# Altium PCB AirPi2_Sensors.PcbDoc
Units mm, origin at the board's own origin, x right, y up, seen from the top; angles counter-clockwise.
Board outline 69.22 x 56.26 mm, 2 copper layers (Top Layer, Bottom Layer); 79 components, 94 nets, 372 pads, 61 vias.
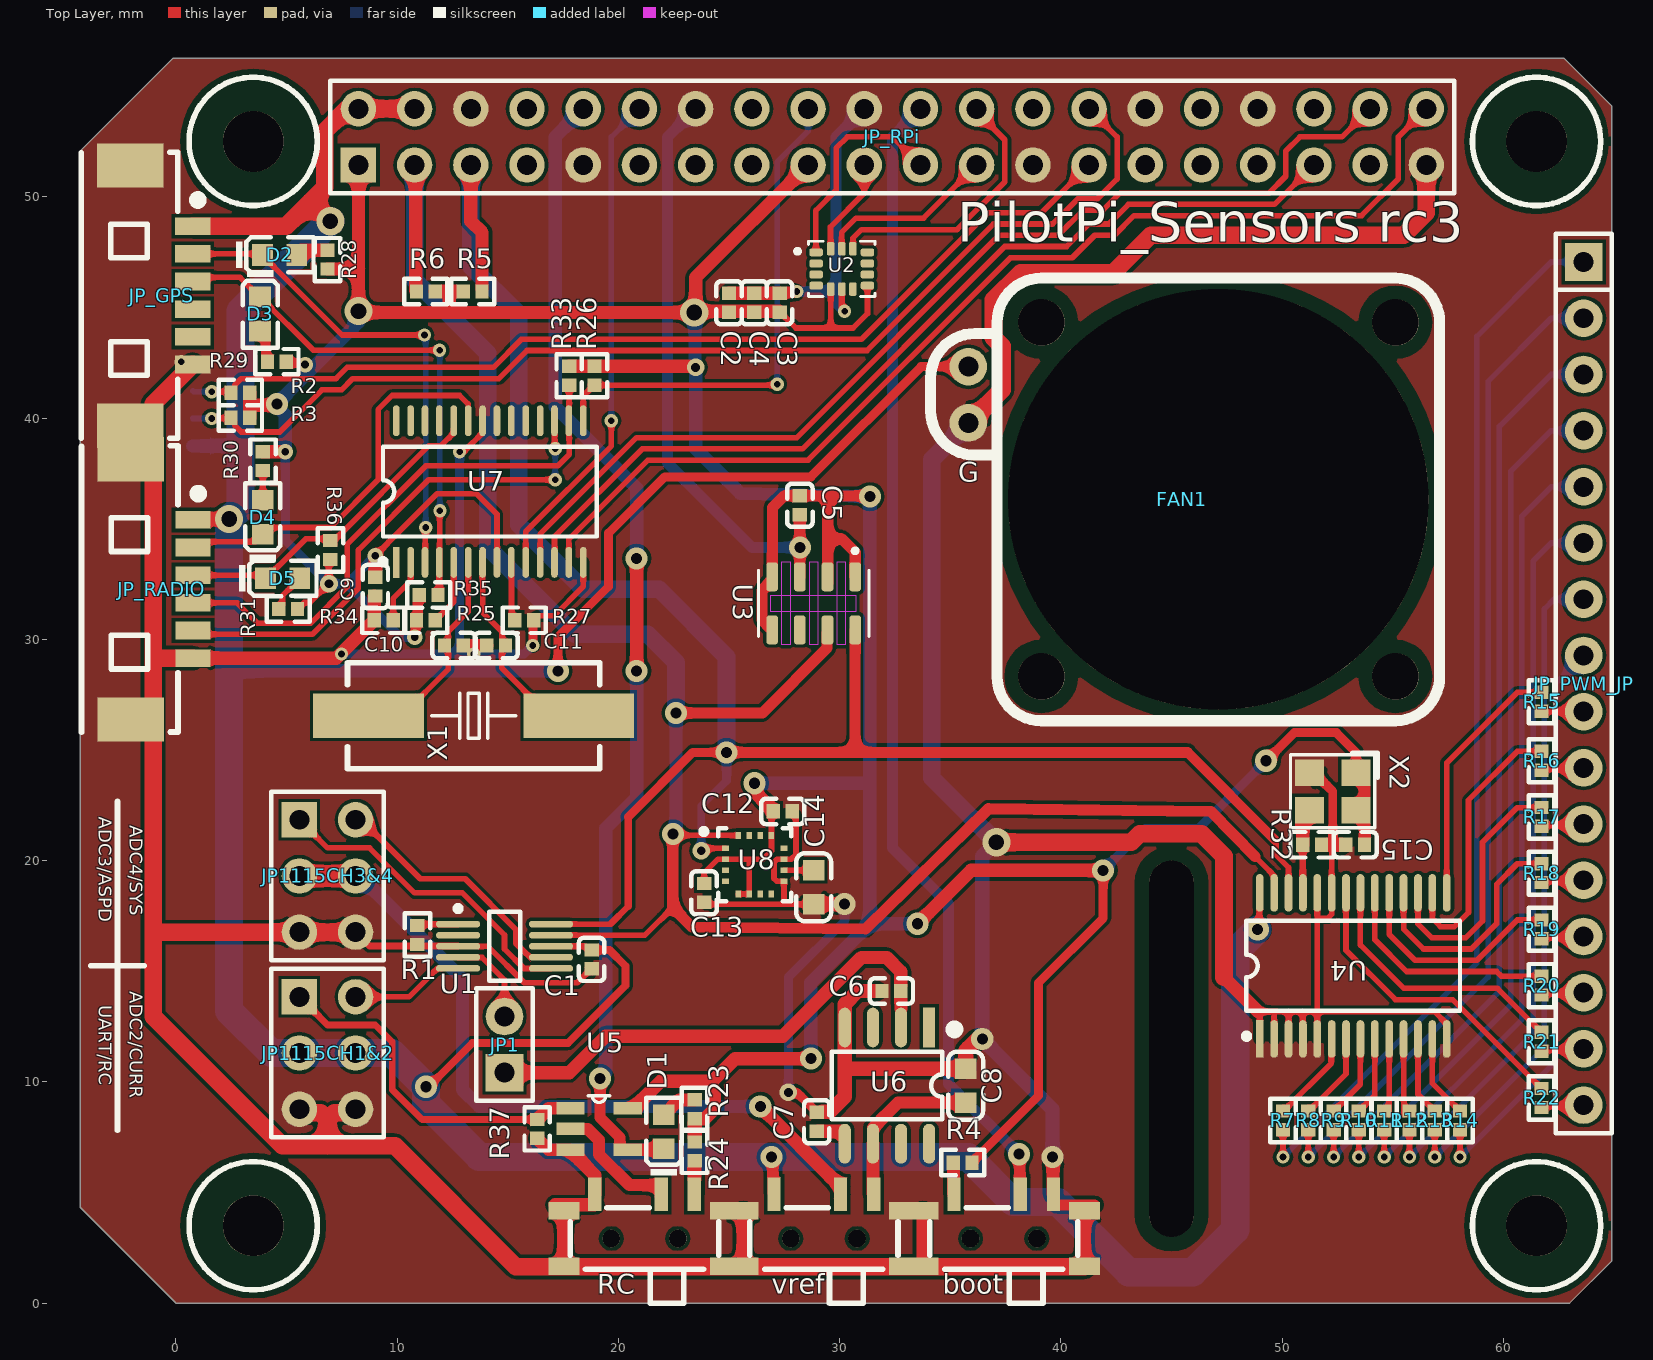
[diagram p0: Top Layer view]
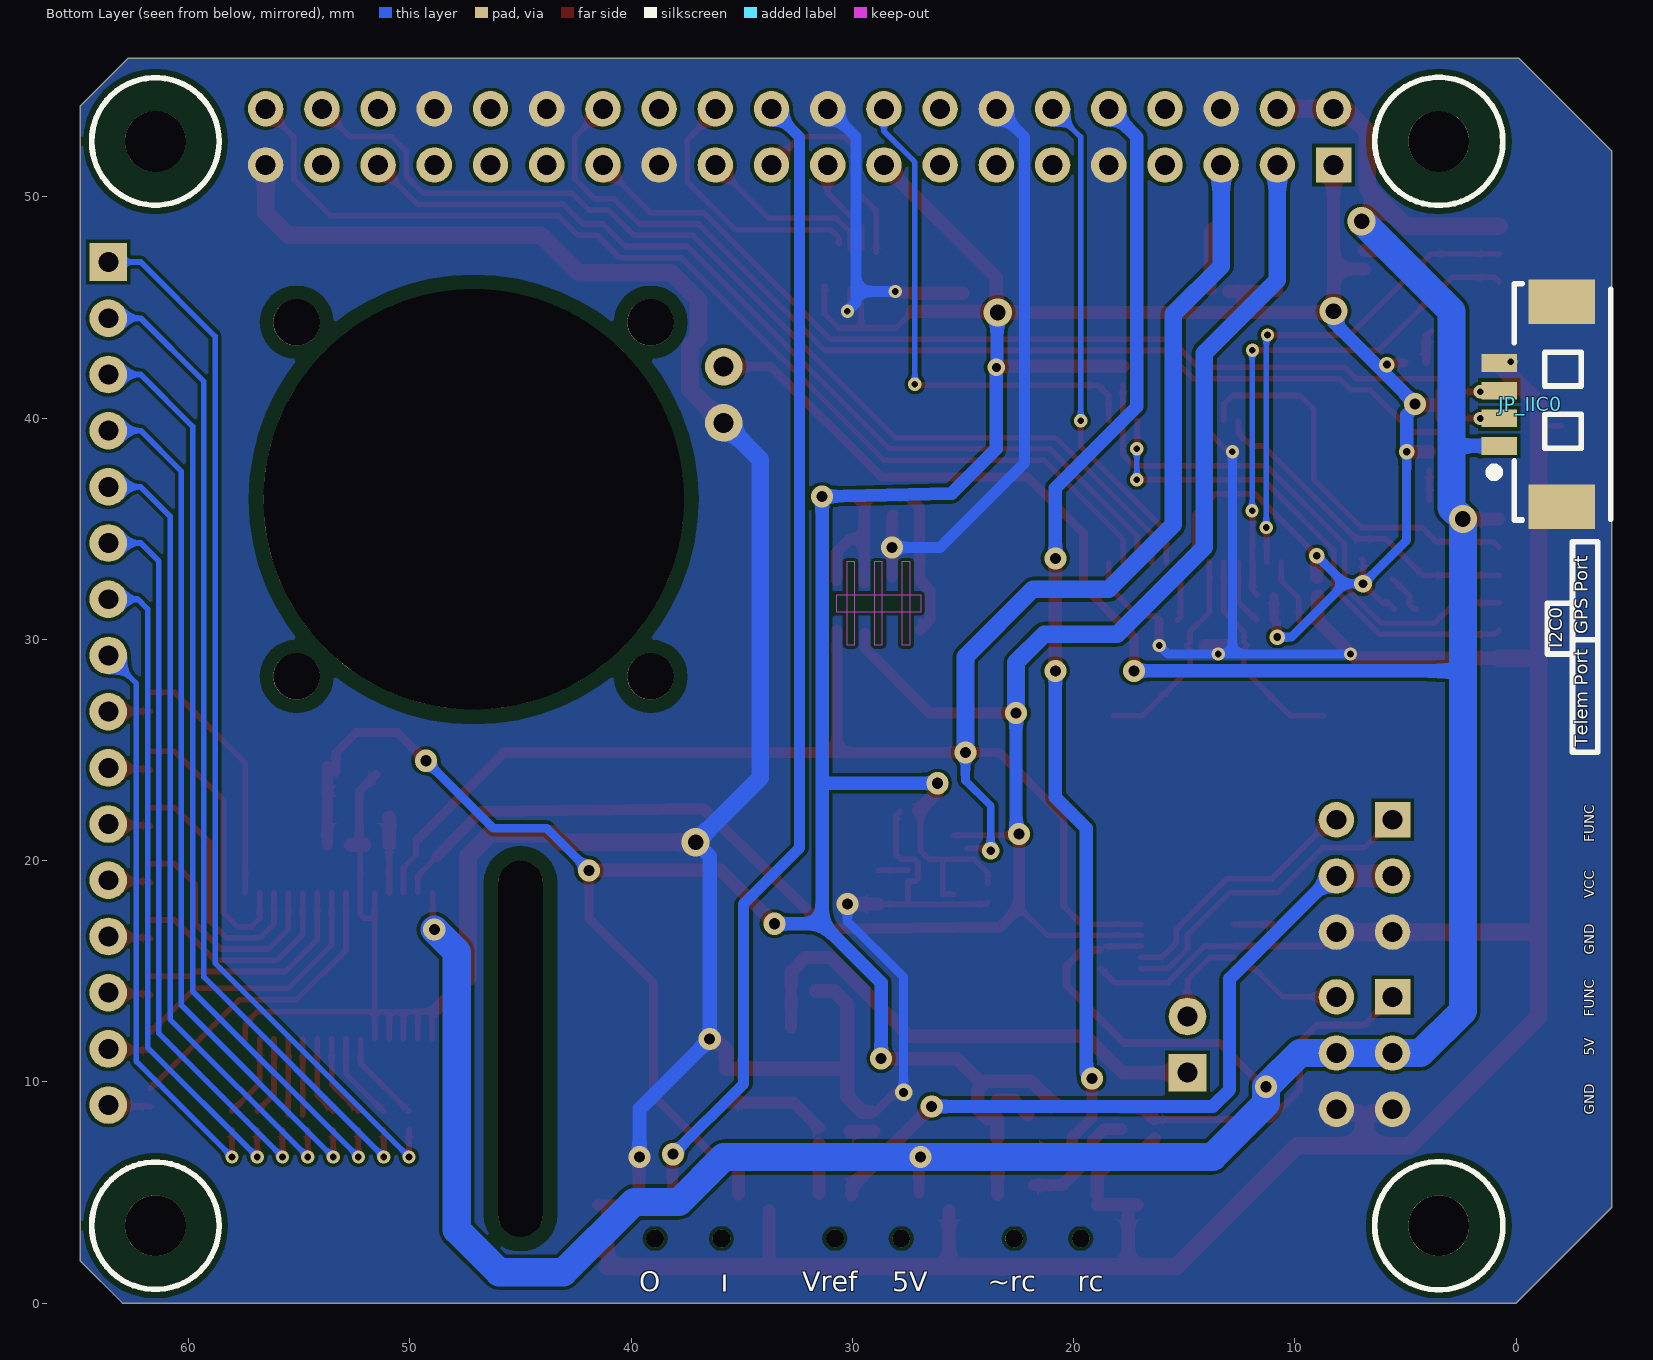
[diagram p1: Bottom Layer view, seen from below]

## Layer stack, top to bottom
Top Solder: solder mask 0.0102, Solder Resist, Dk 3.5
Top Layer: signal copper 0.0356
Dielectric 1: dielectric 0.32, FR-4, Dk 4.8
Bottom Layer: signal copper 0.0356
Bottom Solder: solder mask 0.0102, Solder Resist, Dk 3.5

## Board outline
62.992,0 64.897,1.905 64.897,54.102 62.738,56.261 -0.127,56.261 -4.318,52.07 -4.318,4.318 0,0

## Design rules (kind name [scope] priority, off if disabled: settings)
Clearance [All] p1: gap=0.152 ignorepadtopadclearanceinfootprint=TRUE except(0: Arc-Hole Track-Hole SMDPad-Hole THPad-Hole Via-Hole Fill-Hole Poly-Hole Region-Hole Text-Hole; 0.003: SMDPad-SMDPad; 0.009: SMDPad-Region)
DiffPairsRouting [All] p1: maxlimit=0.254 minlimit=0.152 mostfreqgap=0.254 toplayer_minwidth=0.152 toplayer_maxwidth=20 toplayer_prefwidth=0.254 bottomlayer_minwidth=0.152 bottomlayer_maxwidth=20 bottomlayer_prefwidth=0.254 maxuncoupledlength=12.7
HoleToHoleClearance [All] p1: gap=0.152 allowstackedmicrovias=TRUE
MinimumSolderMaskSliver [All] p1: minsoldermaskwidth=0.152
PlaneConnect [All] p1: planeconnectstyle=Direct reliefexpansion=0.508 reliefentries=4 reliefconductorwidth=0.254 reliefairgap=0.254
PolygonConnect [All] p1: connectstyle=Direct reliefconductorwidth=0.254 reliefentries=4 polygonreliefangle="90 Angle" airgapwidth=0.254
RoutingTopology [All] p1: topology=Daisy_Simple
RoutingVias [All] p1: holewidth=0.711 width=1.27 viastyle="Through Hole" minholewidth=0.3 minwidth=0.6 maxholewidth=10 maxwidth=20
SilkToSilkClearance [All] p1: silktosilkclearance=0.152
SilkToSolderMaskClearance [IsPad] p1: minsilkscreentomaskgap=0.152 clearancetoexposedcopper=TRUE
SolderMaskExpansion [All] p1: expansion=0.102
Width [All] p1: maxlimit=20 minlimit=0.152 preferedwidth=0.254
23 further rules are at their usual default settings.

## Classes and differential pairs
net class PWM[0..15]: PWM0 PWM1 PWM2 PWM3 PWM4 PWM5 PWM6 PWM7 PWM8 PWM9 PWM10 PWM11 PWM12 PWM13 PWM14 PWM15
component class V-ref: C6 C7 U6
component class UART_EXT: C9 C10 C11 D2 D3 D4 D5 JP_GPS JP_RADIO R25 R26 R27 R28 R29 R30 R31 R33 R34 R35 R36 U7 X1
component class RC_Inverter: D1 R23 R24 R37 U5
component class PWM: R7 R8 R9 R10 R11 R12 R13 R14 R15 R16 R17 R18 R19 R20 R21 R22
component class Pressure: C5 U3
component class MAG: C12 C13 C14 U8
component class Fan: FAN1
component class AirPi2_Sensors: JP1 JP1115CH1&2 JP1115CH3&4 JP_IIC0 JP_PWM_JP JP_RPi R2 R3 R5 R6
component class ADC: C1 R1 U1

## Components (designator, comment, footprint, x,y, rotation, side; value= is the part's Value field where it differs from the comment)
C1 "100nF (104) 10% 16V" 0402_C 18.796,15.532 r270 top
C2 "100nF (104) 10% 16V" 0402_C 25.002,45.208 r90 top
C3 "220nF (224) 10% 16V" 0402_C 27.288,45.208 r90 top
C4 "10nF (103) 10% 50V" 0402_C 26.145,45.208 r270 top
C5 "100nF (104) 10% 16V" 0402_C 28.204,36.058 r90 top
C6 "1.0uF (105) 10% 25V" 0402_C 32.344,14.104 r0 top locked
C7 "1.0uF (105) 10% 25V" 0402_C 28.966,8.198 r90 top locked
C8 "22uF (226) 20% 6.3V" 0603_C 35.696,9.831 r270 top locked
C9 "100nF (104) 10% 16V" 0402_C 9.017,32.385 r270 top
C10 "18pF (180) 5% 50V" 0402_C 12.573,29.718 r180 top
C11 "18pF (180) 5% 50V" 0402_C 14.478,29.718 r0 top
C12 "100nF (104) 10% 16V" 0402_C 27.432,22.225 r0 top
C13 "100nF (104) 10% 16V" 0402_C 23.876,18.542 r270 top
C14 "470nF (474) 10% 25V" 0603_C 28.829,18.796 r90 top
C15 "100nF (104) 10% 16V" 0402_C 53.301,20.716 r180 top locked
D1 "绿灯 0603" 0603_LED_S1 22.05,7.747 r90 top
D2 "蓝灯 0603" 0603_LED_S1 4.691,47.371 r0 top
D3 "绿灯 0603" 0603_LED_S1 3.81,44.704 r270 top
D4 "蓝灯 0603" 0603_LED_S1 3.937,35.516 r90 top
D5 "绿灯 0603" 0603_LED_S1 4.826,32.766 r0 top
FAN1 "20mm_5V_风扇" 20mmFAN 39.118,28.321 r0 top locked
JP1 "HDR-1X2" HDR2.54-LI-2P 14.859,11.684 r90 top locked
JP1115CH1&2 "Header3X2" HDR2.54-LI-2x3P 6.858,11.303 r270 top
JP1115CH3&4 "Header3X2" HDR2.54-LI-2x3P 6.858,19.304 r270 top
JP_GPS "HDR-1X6" "MX 1.25-WS-6P" -2.049,45.529 r270 top locked
JP_IIC0 "HDR-1X4" "MX 1.25-WS-4P" -2.049,40.624 r90 bottom locked
JP_PWM_JP "HDR-1X16" HDR2.54-LI-16P 63.627,28 r270 top locked
JP_RADIO "HDR-1X6" "MX 1.25-WS-6P" -2.032,32.258 r270 top locked
JP_RPi "Header 2X11" HDR2.54-LI-2x20P 32.385,52.705 r0 top locked
R1 "10KΩ (1002) ±1%" 0402_R 10.922,16.637 r270 top
R2 "4.7KΩ (4701) ±1%" 0402_R 2.921,41.148 r0 top
R3 "4.7KΩ (4701) ±1%" 0402_R 2.921,40.005 r180 top
R4 "10KΩ (1002) ±1%" 0402_R 35.56,6.35 r0 top locked
R5 "3.3KΩ (3301) ±1%" 0402_R 13.418,45.72 r0 top
R6 "3.3KΩ (3301) ±1%" 0402_R 11.303,45.72 r180 top
R7 "220Ω (2200) ±1%" 0402_R 50.038,8.255 r90 top
R8 "220Ω (2200) ±1%" 0402_R 51.181,8.255 r90 top
R9 "220Ω (2200) ±1%" 0402_R 52.324,8.255 r90 top
R10 "220Ω (2200) ±1%" 0402_R 53.467,8.255 r90 top
R11 "220Ω (2200) ±1%" 0402_R 54.61,8.255 r90 top
R12 "220Ω (2200) ±1%" 0402_R 55.753,8.255 r90 top
R13 "220Ω (2200) ±1%" 0402_R 56.896,8.255 r90 top
R14 "220Ω (2200) ±1%" 0402_R 58.039,8.255 r90 top
R15 "220Ω (2200) ±1%" 0402_R 61.722,27.178 r90 top
R16 "220Ω (2200) ±1%" 0402_R 61.722,24.511 r90 top
R17 "220Ω (2200) ±1%" 0402_R 61.722,21.971 r90 top
R18 "220Ω (2200) ±1%" 0402_R 61.722,19.431 r90 top
R19 "220Ω (2200) ±1%" 0402_R 61.722,16.891 r90 top
R20 "220Ω (2200) ±1%" 0402_R 61.722,14.351 r90 top
R21 "220Ω (2200) ±1%" 0402_R 61.722,11.811 r90 top
R22 "220Ω (2200) ±1%" 0402_R 61.722,9.271 r90 top
R23 "1KΩ (1001) ±1%" 0402_R 23.447,8.763 r90 top
R24 "10KΩ (1002) ±1%" 0402_R 23.447,6.858 r90 top
R25 "10KΩ (1002) ±1%" 0402_R 11.303,30.861 r0 top
R26 "1KΩ (1001) ±1%" 0402_R 18.923,41.91 r270 top
R27 "1KΩ (1001) ±1%" 0402_R 15.748,30.861 r180 top
R28 "470Ω (4700) ±1%" 0402_R 6.858,47.161 r90 top
R29 "1KΩ (1001) ±1%" 0402_R 4.572,42.545 r180 top
R30 "470Ω (4700) ±1%" 0402_R 3.937,38.056 r270 top
R31 "1KΩ (1001) ±1%" 0402_R 5.08,31.369 r180 top
R32 "3.3KΩ (3301) ±1%" 0402_R 51.352,20.716 r0 top locked
R33 "10KΩ (1002) ±1%" 0402_R 17.78,41.91 r90 top
R34 "10KΩ (1002) ±1%" 0402_R 9.398,30.861 r0 top locked
R35 "10KΩ (1002) ±1%" 0402_R 11.43,32.004 r180 top
R36 "10KΩ (1002) ±1%" 0402_R 6.985,34.036 r270 top
R37 "10KΩ (1002) ±1%" 0402_R 16.335,7.874 r270 top
S1 "SS-12F23" MSK-12C01-07 29.289,2.921 r0 top locked
S2 "SS-12F23" MSK-12C01-07 37.417,2.921 r0 top locked
S3 "SS-12F23" MSK-12C01-07 21.185,2.921 r0 top locked
U1 "ADS1115IDGSR" TI-DGS10_M 14.859,16.129 r0 top
U2 "ICM-42605" PQFN50P300X250X97-14N 30.099,46.736 r0 top
U3 "MS5611-01BA03" SON125P500X300X100-8N 28.829,31.623 r270 top
U4 "PCA9685" TSSOP28_M 53.213,15.24 r90 top locked
U5 "NC7SZ86M5" SOT95P280X145-5N 19.129,7.874 r0 top
U6 "REF5040" SOP8_N 32.141,9.831 r270 top locked
U7 "SC16IS752IPW" TSSOP28_n 14.19,36.678 r90 top
U8 "IST8310" IST8310_LGA16 26.162,19.812 r0 top
X1 "14.7456MHz" "OSC HC-49SMD" 13.462,26.543 r0 top locked
X2 "25M-3225" "OSC 3225-4P" 52.285,23.129 r180 top

## Footprints (in the part's own frame and the unit in brackets; to place one, negate y for a bottom-side part, rotate by r counter-clockwise, add the part's x,y. Pads: shape width x height; smd on the part's side, far side on the other; paste and mask are expansions set on the pad)
20mmFAN [mm] "20mm_5V_风扇"
  round 1.7 hole 0.9: 6(-3.3,11.46) 7(-3.3,14)
  round 2.1 hole 2.1: 8(0,0) 9(0,16) 10(16,16) 11(16,0)
  round 19 hole 19: 12(8,8)
  silkscreen extent -5,-2 18,18
0402_C [mm]
  rect 0.6x0.65 smd mask+0.051: 1(-0.425,0) 2(0.425,0)
  silkscreen extent -0.98,-0.58 0.98,0.58, body extent -0.48,-0.3 0.52,0.3, height 0.2
0402_R [mm]
  rect 0.6x0.65 smd mask+0.051: 1(-0.425,0) 2(0.425,0)
  silkscreen extent -0.97,-0.58 0.97,0.58, body extent -0.57,-0.27 0.58,0.28, height 0.41
0603_C [mm]
  rect 0.93x0.98 smd: 1(-0.77,0) 2(0.77,0)
  silkscreen extent -1.53,-0.79 1.54,0.79, body extent -0.8,-0.4 0.8,0.4, height 0.3
0603_LED_S1 [mm]
  rect 0.93x0.98 smd: A(0.77,0) K(-0.77,0)
  silkscreen extent -1.98,-0.79 1.54,0.79, body extent -0.8,-0.4 0.8,0.4, height 0.6
HDR2.54-LI-2P [mm] "排针，2脚"
  rect 1.7x1.7 hole 0.9: 1(-1.27,0)
  round 1.7 hole 0.9: 2(1.27,0)
  silkscreen extent -2.54,-1.27 2.54,1.27, body extent -2.54,-1.27 2.54,1.27, height 8.5
HDR2.54-LI-2x3P [mm] "双排排针，3x2脚"
  rect 1.6x1.6 hole 0.9: 1(-2.54,-1.27)
  round 1.6 hole 0.9: 2(-2.54,1.27) 3(0,-1.27) 4(0,1.27) 5(2.54,-1.27) 6(2.54,1.27)
  silkscreen extent -3.81,-2.54 3.81,2.54, body extent -3.81,-2.54 3.81,2.54, height 8.5
HDR2.54-LI-2x20P [mm] "双排排针，20x2脚"
  rect 1.6x1.6 hole 0.9: 1(-24.13,-1.27)
  round 1.6 hole 0.9: 2(-24.13,1.27) 3(-21.59,-1.27) 4(-21.59,1.27) 5(-19.05,-1.27) 6(-19.05,1.27) 7(-16.51,-1.27) 8(-16.51,1.27) 9(-13.97,-1.27) 10(-13.97,1.27) 11(-11.43,-1.27) 12(-11.43,1.27) 13(-8.89,-1.27) 14(-8.89,1.27) 15(-6.35,-1.27) 16(-6.35,1.27) 17(-3.81,-1.27) 18(-3.81,1.27) 19(-1.27,-1.27) 20(-1.27,1.27) 21(1.27,-1.27) 22(1.27,1.27) 23(3.81,-1.27) 24(3.81,1.27) 25(6.35,-1.27) 26(6.35,1.27) 27(8.89,-1.27) 28(8.89,1.27) 29(11.43,-1.27) 30(11.43,1.27) 31(13.97,-1.27) 32(13.97,1.27) 33(16.51,-1.27) 34(16.51,1.27) 35(19.05,-1.27) 36(19.05,1.27) 37(21.59,-1.27) 38(21.59,1.27) 39(24.13,-1.27) 40(24.13,1.27)
  silkscreen extent -25.4,-2.54 25.4,2.54, body extent -25.4,-2.54 25.4,2.54, height 8.5
HDR2.54-LI-16P [mm] "排针，16脚"
  rect 1.7x1.7 hole 0.9: 1(-19.05,0)
  round 1.7 hole 0.9: 2(-16.51,0) 3(-13.97,0) 4(-11.43,0) 5(-8.89,0) 6(-6.35,0) 7(-3.81,0) 8(-1.27,0) 9(1.27,0) 10(3.81,0) 11(6.35,0) 12(8.89,0) 13(11.43,0) 14(13.97,0) 15(16.51,0) 16(19.05,0)
  silkscreen extent -20.32,-1.27 20.32,1.27, body extent -20.32,-1.27 20.32,1.27, height 8.5
IST8310_LGA16 [mm] "LGA16, 16-Leads, Body 3.00x3.00mm, Pitch 0.50mm, IPC Medium Density"
  rect 0.325x0.25 smd: 1(-1.325,0.75) 2(-1.325,0.25) 3(-1.325,-0.25) 4(-1.325,-0.75) 9(1.325,-0.75) 10(1.325,-0.25) 11(1.325,0.25) 12(1.325,0.75)
  rect 0.25x0.325 smd: 5(-0.75,-1.325) 6(-0.25,-1.325) 7(0.25,-1.325) 8(0.75,-1.325) 13(0.75,1.325) 14(0.25,1.325) 15(-0.25,1.325) 16(-0.75,1.325)
  silkscreen extent -2.42,-1.65 1.65,1.65, body extent -1.5,-1.5 1.5,1.5, height 1
MSK-12C01-07 [mm] "6.7*2.8*1.5mm(长宽高）"
  rect 1.4x0.8 smd: 0(-3.65,-1.25) 0(-3.65,1.25) 0(3.65,-1.25) 0(3.65,1.25)
  rect 0.6x1.5 smd: 1(-2.25,1.996) 2(0.75,1.996) 3(2.25,1.996)
  round 0.8 hole 0.8: " "(-1.5,0) " "(1.5,0)
  silkscreen extent -3.35,-2.92 3.35,1.4, body extent -3.92,-2.9 3.92,2.4, height 1.5
"MX 1.25-WS-4P" [mm] "长：10.15mm，宽：4.2mm，高：3.4mm"
  rect 2x3 smd: 0(-4.632,0) 0(4.632,0)
  rect 0.8x1.6 smd: 1(-1.889,2.811) 2(-0.639,2.811) 3(0.611,2.811) 4(1.861,2.811)
  silkscreen extent -5.23,-2.23 5.45,3.25, body extent -5.07,-2.1 5.08,3.09, height 3.4
"MX 1.25-WS-6P" [mm] "长：12.65mm，宽：4.2mm，高：3.4mm"
  rect 2x3 smd: 0(-5.882,0) 0(5.882,0)
  rect 0.8x1.6 smd: 1(-3.139,2.811) 2(-1.889,2.811) 3(-0.639,2.811) 4(0.611,2.811) 5(1.861,2.811) 6(3.111,2.811)
  silkscreen extent -6.48,-2.23 6.45,3.25, body extent -6.32,-2.1 6.32,3.09, height 3.4
"OSC 3225-4P" [mm] "3.2*2.5*0.7mm(长宽高)"
  rect 1.3x1.2 smd: 1(-1.05,-0.85) 2(1.05,-0.85) 3(1.05,0.85) 4(-1.05,0.85)
  silkscreen extent -2.03,-1.75 1.91,1.65, body extent -1.6,-1.25 1.6,1.25, height 0.7
"OSC HC-49SMD" [mm]
  rect 5x2 smd: 1(-4.75,0) 2(4.75,0)
  silkscreen extent -5.7,-2.4 5.7,2.4, body extent -6.5,-2.32 6.5,2.33, height 4.63
PQFN50P300X250X97-14N [mm]
  rrect50% 0.61x0.35 smd: 1(-1.16,0.75) 2(-1.16,0.25) 3(-1.16,-0.25) 4(-1.16,-0.75) 8(1.16,-0.75) 9(1.16,-0.25) 10(1.16,0.25) 11(1.16,0.75)
  rrect50% 0.35x0.61 smd: 5(-0.5,-0.91) 6(0,-0.91) 7(0.5,-0.91) 12(0.5,0.91) 13(0,0.91) 14(-0.5,0.91)
  silkscreen extent -2.1,-1.25 1.5,1.25
SON125P500X300X100-8N [mm]
  rrect50% 1.31x0.53 smd: 1(-1.2,1.875) 2(-1.2,0.625) 3(-1.2,-0.625) 4(-1.2,-1.875) 5(1.2,-1.875) 6(1.2,-0.625) 7(1.2,0.625) 8(1.2,1.875)
  Keep-Out Layer region: 0.381,-1.935 -0.375,-1.935 -0.375,1.905 0.381,1.905
  Keep-Out Layer region: 0.381,-1.935 -0.375,-1.935 -0.375,1.905 0.381,1.905
  Keep-Out Layer region: 0.381,-1.935 -0.375,-1.935 -0.375,1.905 0.381,1.905
  Keep-Out Layer region: 1.875,-1.439 -1.877,-1.439 -1.877,-1.062 1.875,-1.062
  Keep-Out Layer region: 1.875,-1.44 -1.878,-1.44 -1.878,-1.062 1.875,-1.062
  Keep-Out Layer region: 1.875,-1.44 -1.878,-1.44 -1.878,-1.062 1.875,-1.062
  Keep-Out Layer region: 1.875,-0.188 -1.877,-0.188 -1.877,0.187 1.875,0.187
  Keep-Out Layer region: 1.875,-0.188 -1.878,-0.188 -1.878,0.188 1.875,0.187
  Keep-Out Layer region: 1.875,-0.188 -1.878,-0.188 -1.878,0.187 1.875,0.187
  Keep-Out Layer region: 1.875,1.063 -1.876,1.063 -1.876,1.438 1.875,1.438
  Keep-Out Layer region: 1.875,1.064 -1.878,1.064 -1.878,1.438 1.875,1.438
  Keep-Out Layer region: 1.875,1.063 -1.875,1.063 -1.875,1.438 1.875,1.438
  silkscreen extent -2.48,-2.5 1.5,2.5
SOP8_N [mm] "5*6*1.8mm（长宽高）"
  rect 1.8x0.55 smd: 1(-2.625,1.905)
  oval 1.8x0.55 smd: 2(-2.625,0.635) 3(-2.625,-0.635) 4(-2.625,-1.905) 5(2.625,-1.905) 6(2.625,-0.635) 7(2.625,0.635) 8(2.625,1.905)
  silkscreen extent -2.69,-2.5 1.52,3.2, body extent -3,-2.5 3,2.5, height 1.9
SOT95P280X145-5N [mil]
  rect 50x22 smd: 1(-51,37) 2(-51,0) 3(-51,-37) 4(51,-37) 5(51,37)
  silkscreen extent -19,47 19,59
TI-DGS10_M [mm] "SOP, 10-Leads, Body 3x3mm, Pitch 0.5mm, IPC Low Density"
  oval 2x0.3 smd: 1(-2.1,1) 2(-2.1,0.5) 3(-2.1,0) 4(-2.1,-0.5) 5(-2.1,-1) 6(2.1,-1) 7(2.1,-0.5) 8(2.1,0) 9(2.1,0.5) 10(2.1,1)
  silkscreen extent -2.22,-1.55 0.7,1.82, body extent -1.55,-1.55 1.55,1.55, height 1.1
TSSOP28_M [mm] "9.8*6.4*1mm（长宽高）"
  rect 1.7x0.35 smd: 1(-3.3,4.225)
  oval 1.7x0.35 smd: 2(-3.3,3.575) 3(-3.3,2.925) 4(-3.3,2.275) 5(-3.3,1.625) 6(-3.3,0.975) 7(-3.3,0.325) 8(-3.3,-0.325) 9(-3.3,-0.975) 10(-3.3,-1.625) 11(-3.3,-2.275) 12(-3.3,-2.925) 13(-3.3,-3.575) 14(-3.3,-4.225) 15(3.3,-4.225) 16(3.3,-3.575) 17(3.3,-2.925) 18(3.3,-2.275) 19(3.3,-1.625) 20(3.3,-0.975) 21(3.3,-0.325) 22(3.3,0.325) 23(3.3,0.975) 24(3.3,1.625) 25(3.3,2.275) 26(3.3,2.925) 27(3.3,3.575) 28(3.3,4.225)
  silkscreen extent -3.3,-4.83 2.03,4.96, body extent -3.2,-4.9 3.2,4.9, height 1.03
TSSOP28_n [mm] "9.8*6.4*1mm（长宽高）"
  rect 1.4x0.3 smd: 1(-3.2,4.225)
  oval 1.4x0.3 smd: 2(-3.2,3.575) 3(-3.2,2.925) 4(-3.2,2.275) 5(-3.2,1.625) 6(-3.2,0.975) 7(-3.2,0.325) 8(-3.2,-0.325) 9(-3.2,-0.975) 10(-3.2,-1.625) 11(-3.2,-2.275) 12(-3.2,-2.925) 13(-3.2,-3.575) 14(-3.2,-4.225) 15(3.2,-4.225) 16(3.2,-3.575) 17(3.2,-2.925) 18(3.2,-2.275) 19(3.2,-1.625) 20(3.2,-0.975) 21(3.2,-0.325) 22(3.2,0.325) 23(3.2,0.975) 24(3.2,1.625) 25(3.2,2.275) 26(3.2,2.925) 27(3.2,3.575) 28(3.2,4.225)
  silkscreen extent -3.3,-4.83 2.03,4.96, body extent -3.2,-4.9 3.2,4.9, height 1.03

## Part data
C1 C2 C5 C9 C12 C13 C15: library part "0402 100nF (104) 10% 16V", "贴片电容", Package=0402, SuppliersPartNumber=C1525, ComponentLink1Description=供?, ComponentLink1URL=http://www.szlcsc.com/product/details_1877.html, Supplier=LC
C3: library part "0402 220nF (224) 10% 16V", "贴片电容", Package=0402, SuppliersPartNumber=C16772, ComponentLink1Description=供?, ComponentLink1URL=http://www.szlcsc.com/product/details_17456.html, Supplier=LC
C4: library part "0402 10nF (103) 10% 50V", "贴片电容", Package=0402, SuppliersPartNumber=C15195, ComponentLink1Description=供?, ComponentLink1URL=http://www.szlcsc.com/product/details_15869.html, Supplier=LC
C6 C7: library part "0402 1.0uF (105) 10% 25V", "贴片电容", Package=0402, SuppliersPartNumber=C52923, ComponentLink1Description=供?, ComponentLink1URL=http://www.szlcsc.com/product/details_53938.html, Supplier=LC
C8: library part "0603 22uF (226) 20% 6.3V", "贴片电容", Package=0603, SuppliersPartNumber=C59461, ComponentLink1Description=供?, ComponentLink1URL=http://www.szlcsc.com/product/details_60514.html, Supplier=LC
C10 C11: library part "0402 18pF (180) 5% 50V", "贴片电容", Package=0402, SuppliersPartNumber=C1549, ComponentLink1Description=供?, ComponentLink1URL=http://www.szlcsc.com/product/details_1901.html, Supplier=LC
C14: library part "0603 470nF (474) 10% 25V", "贴片电容", Package=0603, SuppliersPartNumber=C1623, ComponentLink1Description=供?, ComponentLink1URL=http://www.szlcsc.com/product/details_1975.html, Supplier=LC
D1 D3 D5: library part "0603 绿灯", "发光二极管", Package=0603, SuppliersPartNumber=C72043, ComponentLink1Description=供?, ComponentLink1URL=http://www.szlcsc.com/product/details_73152.html, Supplier=LC
D2 D4: library part "0603 蓝灯", "发光二极管", Package=0603, SuppliersPartNumber=C72041, ComponentLink1Description=供?, ComponentLink1URL=http://www.szlcsc.com/product/details_73150.html, Supplier=LC
FAN1: library part 20mmFAN
JP1: library part "Header 2", "2P接插件"
JP1115CH1&2 JP1115CH3&4: library part "Header 3X2", "3*2P接插件"